# Altium PCB R100.230.030.001-00 ControlVR.PcbDoc (part 2 of 5) (continued)
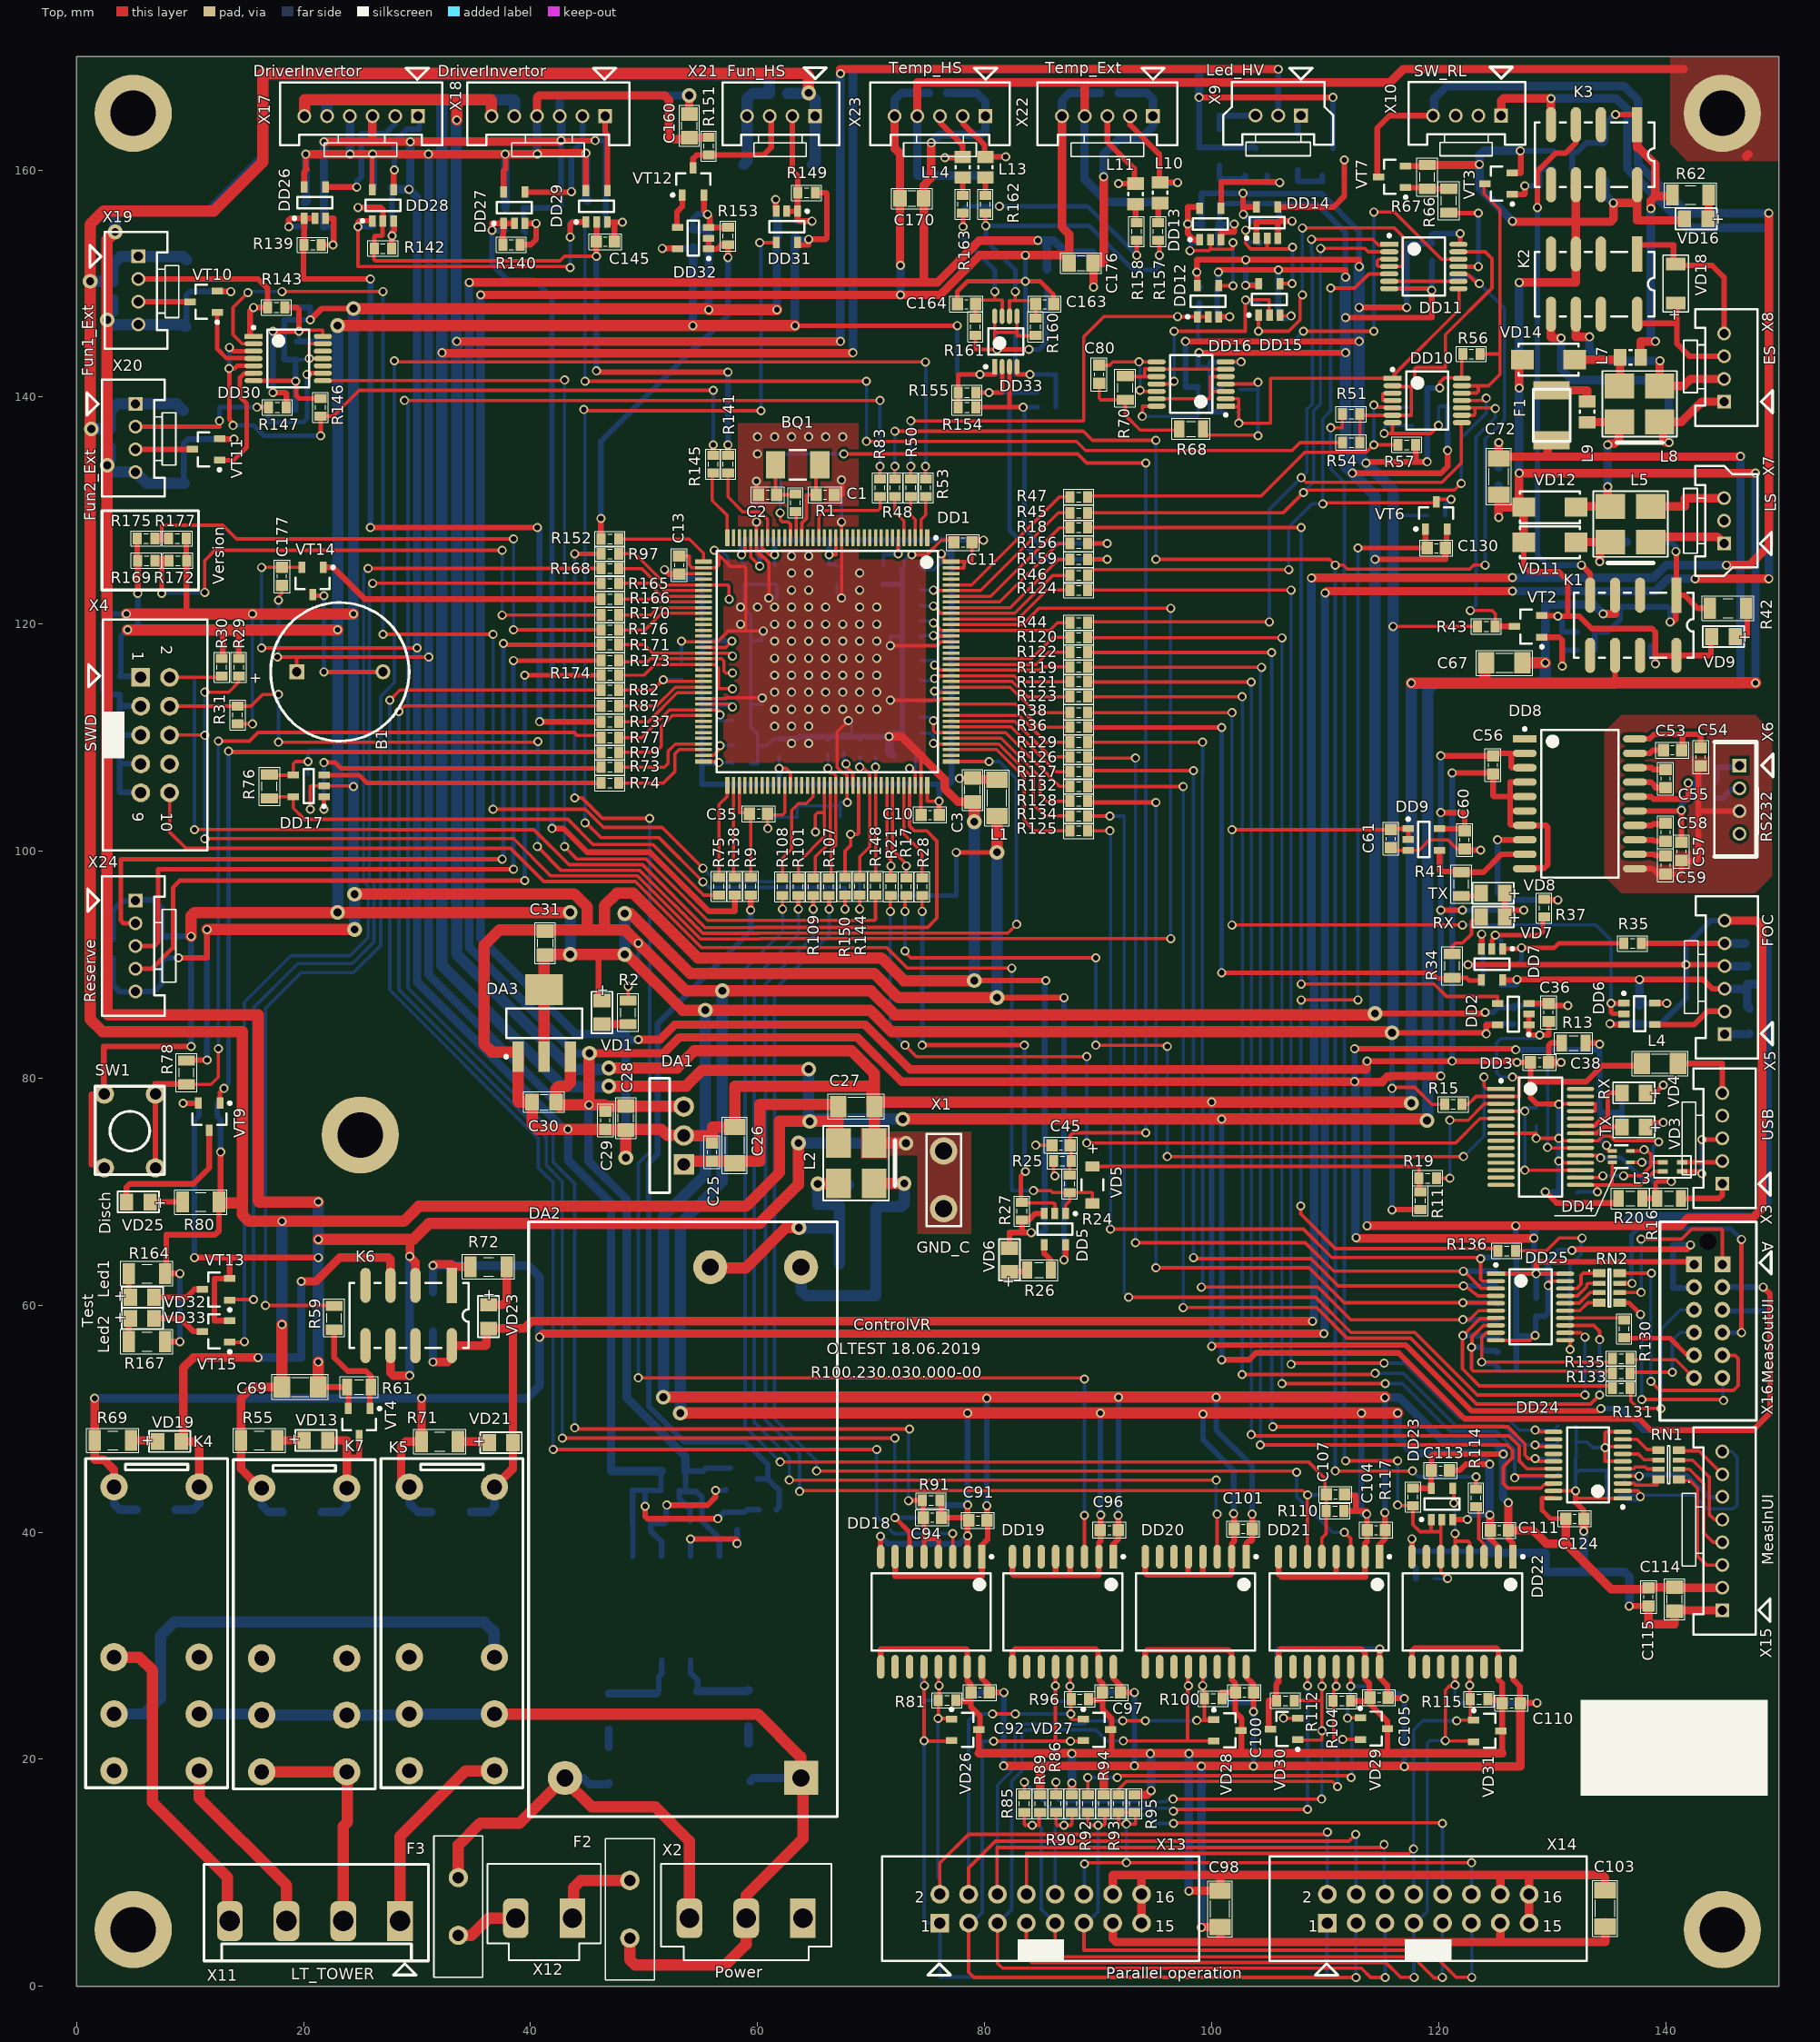
[diagram p0: Top view]
## Nets (pads, with @x,y where several pads share a name; then routed paths per layer and width w, separated by ;. In a path a pad name is that pad's centre, name@x,y a point inside that pad or via, vN(x,y) a via of type N, cw(c..) or ccw(c..) an arc to the next point about the centre after c; other vN are vias at no path point) (continued)
+5V: B1.1 C28.1 C29.2 C30.1 C33.2 C34.2 C47.1 C49.1 C50.2 C56.2 C60.1 C133.2 C137.2 C138.2 C143.2 C144.2 C160.1 C169.2 C170.2 C175.2 C176.2 C177.2 DA1.3 DA3.3 DA4.8 DD4.1 DD6.5 DD7.5 DD8.2 DD8.3 DD9.5 DD25.1 DD25.20 DD26.5 DD27.5 DD28.5 DD29.5 L12.1 R8.2 R13.2 R22.1 R23.1 R32.2 R33.2 R151.1 VD7.1 VD8.1 VT1.2 X5.3 X16.1B X17.4 X18.4 X22.1 X23.1 | length 760.5
  Top w0.3: v1(17.7,117.1) 19.4,117.1 ; v1(17.8,122.1) 17.8,122.4 18.1,122.7 C177.2@18.1,123.4 ; B1.1@19.4,115.8 19.4,117.1 ; v1(31.029,117.1) 31.025,117.096 29.667,117.096 29.663,117.1 19.4,117.1 ; v1(134.79,74.09) 134.79,73.99 134.7,73.9 135,73.6 DD4.1@135.31,73.6
  Top w0.4: DD28.5@26.05,158.275 26.05,161.35 v1(26.1,161.4) ; DD25.1@125.05,62.775 v1(128.6,62.775) ; v1@128.65,62.725 v1(128.6,62.775) ; DD25.20@131.15,62.775 v1(128.6,62.775)
  Top w0.5: DD26.5@20.05,158.5 20.05,159.825 20.3,160.075 20.2,160.175 v1(20.2,161.4) ; DD27.5@37.625,158.05 37.625,159.925 37.8,160.1 37.8,161.375 v1(37.775,161.4) ; DD29.5@44.875,158.175 v1(44.875,161.475) ; v1(112.6,82.6) 126.7,82.6 v1(126.8,82.5) ; v1(112.735,65.965) v1@112.8,65.9 ; DD9.5@120.075,101.975 122.125,101.975 C60.1@122.3,101.8 122.3,103.3 122.2,103.4 v1(120.2,103.4) ; v1(120.2,94.8) v1(122.1,94.8) ; v1(120.2,108.4) C56.2@124.8,108.4 125.02,108.62 DD8.2@126.62,108.62 ; DD7.5@125.65,88.65 126.85,88.65 126.9,88.6 v1(126.9,88.7) v1(137.7,88.7) 143.3,88.7 144.125,87.875 X5.3@145.2,87.875 ; VD7.1@125.841,93.9 VD7.1@125.841,94.2 VD7.1@125.841,94.825 ; VD8.1@125.841,95.75 VD7.1@125.841,94.825 ; v1(127.5,94.8) 125.866,94.8 VD7.1@125.841,94.825 ; DD8.3@127.95,107.35 DD8.3@127.596,107.35 126.45,107.35 126.4,107.4 126.4,108.4 DD8.2@126.62,108.62 ; DD8.2@127.95,108.62 DD8.2@127.596,108.62 DD8.2@126.62,108.62 ; v1(128.6,62.775) 128.6,63.7 128.725,63.825 142.15,63.825 X16.1B@142.35,63.625 ; R13.2@132.95,83.1 134.1,83.1 v1(134.2,83) ; DD6.5@139.075,86.625 139.1,86.6 v1(140.1,86.6)
  Top w0.75: v1(20.2,161.4) v1(24.1,161.4) v1(26.1,161.4) v1@30.75,161.4 ; v1(31,161.4) v1(37.775,161.4) v1(40.6,161.4) 40.675,161.475 v1(44.875,161.475) ; v1(34.6,150.1) 74.65,150.1 ; X18.4@40.6,164.725 X18.4@40.575,164.75 40.575,166.375 40.775,166.575 51.825,166.575 52.2,166.2 52.2,162.7 53.85,162.7 C160.1@54,162.85 55.675,162.85 R151.1@55.7,162.875 ; v2(45.2,82.2) 51.7,82.2 53.1,83.6 68.8,83.6 72.7,79.7 v1(112.6,79.7) 112.629,79.671 115.016,79.671 115.474,80.129 115.7,80.129 115.771,80.2 v1(120.2,80.2) ; v1(75.3,162.4) 75.3,159.3 74.65,158.65 C170.2@74.65,157.5 74.65,150.1 ; v1(84.7,153.8) 79.556,153.8 75.856,150.1 74.65,150.1 ; C176.2@89.55,151.8 90.5,151.8 v1(90.5,159.4) ; v1(89.6,149.7) C176.2@89.6,151.75 ; v1@112.8,65.9 v1(128.4,65.9)
  Top w1: DA3.3@43.5,81.9 43.5,79.6 43.2,79.3 42.5,79.3 42.25,79.05 C30.1@42.25,77.9 42.6,77.55 42.7,77.65 v4(45.15,77.65) ; v2(45.2,82.2) 45.15,82.15 v4(45.15,77.65) ; C29.2@46.6,77.1 C29.2@46.6,77.55 ; DA1.3@53.5,77.5 53.45,77.55 C28.1@48.4,77.55 C29.2@46.6,77.55 ; C176.2@89.55,151.8 C176.2@89.6,151.75 ; v4(45.15,77.65) 46.5,77.65 C29.2@46.6,77.55
  Bottom w0.3: v1(17.7,117.1) 17.8,117.2 v1(17.8,122.1)
  Bottom w0.5: R8.2@54.05,41 54.05,42.05 53.1,43 C33.2@53.1,43.7 53.2,43.6 C33.2@53.4,43.6 ; DA4.8@56.64,37.9 56.64,39.46 55.1,41 55.1,43.104 54.604,43.6 C33.2@53.4,43.6 ; VT1.2@57.6,45.65 55.45,45.65 55.2,45.4 C34.2@53.65,45.4 53.65,43.85 C33.2@53.4,43.6 ; v1(112.6,79.7) v1(112.6,82.6) ; v1(120.2,80.2) v1(120.2,108.4) ; v1(122.1,94.8) v1(127.5,94.8) ; C49.1@125.5,88.25 125.55,88.2 126.8,88.2 126.9,88.3 v1(126.9,88.7) ; v1(126.8,82.5) 134.2,82.5 ; v1(128.4,65.9) 128.4,62.975 v1(128.6,62.775) C133.2@128.6,60.65 ; v1(134.2,83) 134.2,82.5 ; v1(134.79,74.09) 134.296,74.584 134.296,77 ; R23.1@136.1,78.6 136.15,78.55 136.15,77 ; R22.1@136.15,75.6 136.15,77 ; C47.1@137.7,86.375 137.925,86.6 v1(140.1,86.6) ; X16.1B@142.25,63.725 X16.1B@142.35,63.625 ; 134.2,82.5 134.2,77.096 134.296,77 ; 134.296,77 136.15,77
  Bottom w0.75: C137.2@20.125,157.125 20.3,157.3 20.2,157.4 v1(20.2,161.4) ; X17.4@24.075,164.75 24.1,164.725 v1(24.1,161.4) ; v1(26.1,161.4) 26.125,161.375 C143.2@26.125,158.4 ; v1(31,161.4) 31.029,161.371 v1(31.029,117.1) 31.029,89.121 42.6,77.55 v4@45.15,77.55 ; v1(34.6,150.1) 34.571,150.071 34.571,148.574 34.6,148.545 34.6,91.525 43.925,82.2 v2(45.2,82.2) ; C138.2@37.775,156.675 v1(37.775,161.4) ; X18.4@40.575,164.75 40.575,161.425 v1(40.6,161.4) ; v1(44.875,161.475) 44.875,157.45 C144.2@45.025,157.3 ; v4(45.15,77.65) v4@45.15,77.55 ; C34.2@53.65,45.4 53.65,46.683 48.471,51.862 48.471,69.329 45.125,72.675 45.125,77.525 v4@45.15,77.55 ; v1(75.3,162.4) 76,163.1 79.7,163.1 80.075,163.475 X23.1@80.075,164.75 80.075,166.025 79.3,166.8 C169.2@76.7,166.8 ; v1@84.8,153.8 85.4,153.8 ; L12.1@85.5,151.21 85.5,153.7 85.4,153.8 ; v1(89.6,149.7) 89.6,152.6 89.5,152.7 87.2,152.7 86.1,153.8 85.4,153.8 ; v1(90.5,159.4) 90.5,161.4 91.9,162.8 93.8,162.8 94.825,163.825 X22.1@94.825,164.75 94.825,166.275 94.3,166.8 C175.2@91.8,166.8 ; v1(112.6,79.7) 112.671,79.629 112.671,66.029 v1(112.735,65.965) ; v1(128.4,65.9) 128.4,66.6 128.8,67 136.1,67 136.9,67.8 147.7,67.8 149,69.1 149,88.3 ; C47.1@137.7,86.375 v1(137.7,88.7) ; X5.3@145.2,87.875 147.175,87.875 C50.2@147.2,87.9 ; R33.2@147.4,86.15 147.2,86.35 C50.2@147.2,87.9 ; R32.2@148.575,91.9 R32.2@148.9,91.575 ; R32.2@148.7,91.9 149,91.9 149,88.3 ; C50.2@147.2,87.9 C50.2@147.2,88.3 149,88.3
+12V: C25.2 C26.2 C27.2 C67.2 C69.2 C72.2 C73.2 C90.2 C147.1 C148.1 C151.1 C152.1 C156.1 C157.1 DA1.1 F1.1 K1.3 K7.1 L2.3 R55.1 R80.2 R164.2 R167.2 VD15.2 VT5.3 VT8.3 X16.2A X17.5 X18.5 X19.1 X20.1 X21.1 | length 876.6
  Top w0.5: R167.2@7.8,56.8 v1(9.1,56.8) ; v1(9.1,62.8) R164.2@7.8,62.8 7.9,62.9 7.9,66.2 12.2,66.2 12.55,66.55 R80.2@12.55,69.1 12.7,69.25 v1(12.7,73.5) ; v1(98.9,166.4) v1(110.7,166.4) ; v1(100.9,55.2) 103.3,55.2 103.904,55.804 116.496,55.804 122.3,50 132.024,50 132.028,49.996 137.704,49.996 138.7,49 147.7,49 149.2,50.5 149.2,61 148.7,61.5 148.7,61.6 v1(148.6,61.6)
  Top w0.75: K7.1@16.314,43.9 16.2,43.9 14.5,45.6 R55.1@14.5,48.1 14.5,51.8 15.5,52.8 C69.2@18.1,52.8 ; v1(32.2,143.9) 32.229,143.871 67.329,143.871 68.329,143.871 68.358,143.9 v1(68.4,143.9) ; C72.2@125.3,134.6 125.3,134.758 146.583,134.758 v1(146.6,134.775) ; C72.2@125.3,134.8 v1(125.3,136) ; 129.6,134.8 F1.1@129.6,136 ; v1(134.5,120.9) 135.55,120.9 K1.3@135.55,122.55
  Top w1: R80.2@12.65,69 14.6,69 ; 14.6,84.1 14.6,69 ; 14.6,84.1 2.3,84.1 1.2,85.2 v2(1.2,150.2) 1.2,155.2 2.4,156.4 12.1,156.4 16.4,160.7 16.4,168.5 64.3,168.5 64.5,168.3 v2(64.5,166.8) ; v1(18.1,58.3) C69.2@18.1,52.8 C69.2@18.2,52.9 ; v2(46.9,79.3) 53.7,79.3 55.1,80.7 64.4,80.7 v2(64.5,80.8) ; DA1.1@53.5,72.42 53.78,72.7 C25.2@56,72.7 60.2,72.7 60.2,77.7 67.1,77.7 C27.2@67.1,77.5 L2.3@67.1,74.6 ; L2.3@67.125,74.278 67.1,74.303 L2.3@67.1,74.6 ; v2(72.8,76.396) v1(100.9,76.396) 118.864,76.396 v2(118.981,76.279) ; C67.2@127.4,116.6 v1(129.4,116.6) ; 14.6,69 14.6,68 15.2,67.4 v1(18.1,67.4) 28.825,67.4 30.15,68.725 58.975,68.725 61.925,71.675 61.925,76.2 v2(64.6,76.2) 66.7,76.2 66.7,75 L2.3@67.1,74.6
  Bottom w0.5: v1(9.1,56.8) v1(9.1,62.8) ; C90.2@12.4,77.7 12.4,76.65 12.7,76.35 v1(12.7,73.5) ; v1(98.9,166.4) 98.9,162 103.6,162 103.7,162.1 VT5.3@103.9,161.9 ; v1(100.9,55.2) 100.904,55.204 100.904,64.818 100.896,64.826 100.896,76.392 v1(100.9,76.396) ; VT8.3@110.7,161.9 v1(110.7,166.4) ; X16.2A@145,61.6 v1(148.6,61.6)
  Bottom w0.75: K7.1@16.314,43.9 16.314,42.386 16.9,41.8 VD15.2@18.175,41.8 ; v1(68.4,143.9) 68.4,168.9 98.9,168.9 v1(98.9,166.4) ; C73.2@125.3,133.8 v1(125.3,136) ; v1@129.4,116.7 129.4,121.729 133.671,121.729 v1(134.5,120.9) ; 146.6,114.8 v1@146.6,134.7
  Bottom w1: v2(1.2,150.2) C148.1@3.2,150.2 3.2,151.7 3.9,152.4 X19.1@5.45,152.4 9.4,152.4 C147.1@9.7,152.1 ; v2(1.3,137.2) C152.1@2.95,137.2 2.95,138.75 3.6,139.4 X20.1@5.2,139.4 8.8,139.4 C151.1@9.4,138.8 ; v1(18.1,58.3) v1(18.1,67.4) ; X17.5@22.075,164.75 22.075,166.075 22.2,166.2 32.2,166.2 ; X18.5@38.575,164.75 38.575,166.125 38.5,166.2 32.2,166.2 ; v2(46.9,79.3) 46.875,79.275 42.85,79.275 32.2,89.925 v1(32.2,143.9) 32.2,159.214 32.204,159.218 32.204,166.196 32.2,166.2 ; C157.1@62.625,166.75 64.45,166.75 v2(64.5,166.8) 65.075,166.225 X21.1@65.075,164.75 65.075,160.725 C156.1@64.85,160.5 ; v2(64.5,80.8) 64.5,76.3 v2(64.6,76.2) ; v2@64.7,76.4 67.2,76.4 67.204,76.396 v2(72.8,76.396) ; v2(118.981,76.279) 119.025,76.323 119.025,114.125 119.7,114.8 129.4,114.8 ; v1(129.4,116.6) 129.4,114.8 ; 146.6,114.8 129.4,114.8
\R\E\/DE: DD1.20 R83.1 | length 8.6
  Top w0.28: DD1.20@65.4,127.6 65.4,129.5 65.9,130 70.6,130 70.8,130.2 R83.1@70.8,131.225
ADC1_ALARM: C132.2 DD1.114 R132.2 | length 16.1
  Top w0.28: v1(75.5,111.5) 75.4,111.4 75.5,111.4 75.5,110.6 75.65,110.45 DD1.114@76.75,110.45 ; DD1.114@77.05,110.45 81.85,110.45 86.6,105.7 R132.2@87.525,105.7
  Bottom w0.28: C132.2@74.35,111.8 75.2,111.8 v1(75.5,111.5)
ADC1_ALARM_1: R131.1 X16.3B | length 14.7
  Top w0.28: R131.1@136.875,52.7 136.925,52.65 136.925,51.552 137.571,50.906 139.594,50.906 v1(139.6,50.9)
  Bottom w0.28: v1(139.6,50.9) 139.6,57.888 141.312,59.6 X16.3B@142.5,59.6
ADC1_CS: DD1.116 R126.1 | length 11.8
  Top w0.28: DD1.116@77.05,111.45 82.65,111.45 85.8,108.3 R126.1@87.525,108.3
ADC1_CS_1: RN2.7 X16.4A | length 25.8
  Top w0.4: RN2.7@135.95,61.925 v1(137.05,61.925) ; v1(146.7,57.6) v1(146.7,65.8)
  Bottom w0.4: v1@136.996,61.979 v1@137,61.975 ; v1(137.05,61.925) v1@137,61.975 ; X16.4A@145,57.6 X16.4A@145.075,57.6 ; X16.4A@145.05,57.625 X16.4A@145.075,57.6 ; X16.4A@145.15,57.525 X16.4A@145.075,57.6 ; v1(146.7,57.6) X16.4A@145.075,57.6 ; v1(146.7,65.8) 145.75,66.75 137.571,66.75 137,66.179 v1@137,61.975
ADC1_MISO: C131.2 DD1.112 R134.2 | length 18.1
  Top w0.28: v1(75.5,109.5) 75.4,109.5 75.45,109.45 DD1.112@76.75,109.45 ; DD1.112@77.05,109.45 81.25,109.45 84.3,106.4 84.3,104.1 85.3,103.1 R134.2@87.525,103.1
  Bottom w0.28: C131.2@74.35,110.4 75.2,110.4 75.5,110.1 75.5,109.7 75.3,109.5 v1(75.5,109.5)
ADC1_MISO_1: R133.1 X16.4B | length 8.8
  Top w0.3: R133.1@136.875,54 137.075,54.2 137.171,54.104 v1(140.596,54.104)
  Bottom w0.3: v1(140.596,54.104) 140.596,56.898 141.298,57.6 X16.4B@142.5,57.6
ADC1_MOSI: DD1.113 R128.1 | length 13.7
  Top w0.28: DD1.113@77.05,109.95 81.45,109.95 84.9,106.5 84.9,105 85.5,104.4 R128.1@87.525,104.4
ADC1_MOSI_1: RN2.5 X16.6A | length 19.1
  Top w0.3: v1(137.9,51.7) 137.904,51.704 144.996,51.704 v1(145.1,51.6)
  Top w0.4: RN2.5@135.95,60.23 136.77,60.23 v1(137.8,59.2)
  Bottom w0.3: v1(137.8,59.2) 137.896,59.104 137.896,51.704 v1(137.9,51.7) ; X16.6A@145.05,53.625 145.05,51.65 v1(145.1,51.6)
ADC1_RST: DD1.115 R127.1 | length 12.1
  Top w0.28: DD1.115@77.05,110.95 82.35,110.95 86.3,107 R127.1@87.525,107
ADC1_RST_1: RN2.6 X16.1A | length 17.1
  Top w0.3: RN2.6@135.95,61.125 135.954,61.121 137.683,61.121 v1@137.687,61.125 ; v1(137.854,65.825) 141.425,65.825 142.3,66.7 144.925,66.7 145,66.625 X16.1A@145,63.6
  Bottom w0.3: v1(137.85,61.125) 137.854,61.129 v1(137.854,65.825) ; X16.1A@144.95,63.825 X16.1A@145.05,63.725
ADC1_SCLK: DD1.111 R125.1 | length 15.7
  Top w0.28: DD1.111@77.05,108.95 81.05,108.95 83.5,106.5 83.5,102.7 84.4,101.8 R125.1@87.525,101.8
ADC1_SCLK_1: RN2.8 X16.5A | length 24.5
  Top w0.3: RN2.8@135.95,62.82 135.955,62.825 v1(138.75,62.825) ; v1(138.7,53.3) 139.5,52.5 145.975,52.5 146.4,52.925 146.4,55.3 146.125,55.575 145.025,55.575 X16.5A@145,55.6
  Bottom w0.3: v1(138.7,53.3) 138.7,62.775 v1(138.75,62.825)
ADC2_CS: DD1.127 R120.2 | length 11.3
  Top w0.28: DD1.127@77.05,116.95 84.15,116.95 86.025,118.825 R120.2@87.525,118.825
ADC2_CS_1: RN1.1 X15.3 | length 10.4
  Top w0.3: RN1.1@141.175,44.655 141.28,44.55 142.15,44.55 142.825,43.875 142.825,37.9 143.608,37.117 X15.3@145,37.117
ADC2_DRDY: C122.1 DD1.125 R119.2 | length 13.9
  Top w0.28: v1(75.6,116.4) 76.05,115.95 84.85,115.95 85.125,116.225 R119.2@87.525,116.225
  Bottom w0.28: C122.1@74.35,116.8 75.6,116.8 v1(75.6,116.4)
ADC2_DRDY_1: C117.1 DD24.2 X15.8 | length 20.5
  Top w0.3: DD24.2@136.225,43.65 136.229,43.646 137.579,43.646 137.775,43.45 v1(137.775,43.15)
  Bottom w0.3: 135.9,43.275 142.475,43.275 143.673,42.077 145.397,42.077 145.399,42.075 145.975,42.075 146.3,42.4 146.3,46.625 145.812,47.113 X15.8@145,47.113 ; C117.1@136.375,43.15 136.675,42.85 137.775,42.85 v1(137.775,43.15)
ADC2_MISO: C123.1 DD1.124 R121.2 | length 13.8
  Top w0.28: v1(75.6,115.2) 75.6,115.4 75.65,115.45 82.608,115.45 83.158,114.9 87.5,114.9 R121.2@87.525,114.925
  Bottom w0.28: C123.1@74.35,115.1 74.45,115 75.5,115 75.6,115.1 v1(75.6,115.2)
ADC2_MISO_1: C116.1 DD24.4 X15.6 | length 13.5
  Top w0.3: DD24.4@136.225,44.95 v1(137.675,44.95)
  Bottom w0.3: C116.1@136.375,44.55 136.575,44.35 137.675,44.35 137.675,44.925 v1(137.675,44.95)
  Bottom w0.4: 135.8,45.05 141.85,45.05 143.8,43.1 X15.6@145.05,43.1 ; v1@137.625,44.925 v1@137.675,44.925
ADC2_MOSI: DD1.123 R123.2 | length 11
  Top w0.28: DD1.123@77.05,114.95 82.429,114.95 83.469,113.91 83.484,113.91 83.794,113.6 87.5,113.6 R123.2@87.525,113.625
ADC2_MOSI_1: RN1.3 X15.5 | length 7.9
  Top w0.3: RN1.3@141.175,46.35 142.375,46.35 143.85,44.875 143.85,41.575 144.308,41.117 X15.5@145,41.117
ADC2_SCLK: DD1.126 R122.2 | length 10.9
  Top w0.28: DD1.126@77.05,116.45 84.55,116.45 85.625,117.525 R122.2@87.525,117.525
ADC2_SCLK_1: RN1.2 X15.4 | length 9
  Top w0.3: RN1.2@141.175,45.55 142.1,45.55 143.35,44.3 143.35,39.95 144.175,39.125 144.992,39.125 X15.4@145,39.117
ADC2_SYN: DD1.134 R124.2 | length 11.5
  Top w0.28: DD1.134@77.05,120.45 82.95,120.45 85.5,123 R124.2@87.525,123
ADC2_SYN_1: RN1.4 X15.7 | length 4.7
  Top w0.3: RN1.4@141.175,47.245 141.245,47.175 142.931,47.175 X15.7@145,45.106
ALARM_OUT: C112.2 DD22.6 DD23.1 DD23.2 R51.2 R117.2 | length 115.4
  Top w0.3: v3(110.5,137.3) 111.525,137.3 R51.2@111.525,138.5 ; v1(111.8,46.3) 114.9,46.3 v1(116.4,46.3) ; v1(116.4,42.4) 116.45,42.35 R117.2@117.75,42.35 ; R117.2@117.725,42 117.75,41.975 117.75,40.675 118.375,40.05 120.195,40.05 DD22.6@120.195,37.85 120.195,36.53 v1(120.8,35.925) ; 119.35,40.1 DD23.1@119.35,41.125 ; 120.2,40.05 120.2,41.025 DD23.2@120.3,41.125
  Bottom w0.3: v3(110.5,137.3) 110.5,133.7 111.704,132.496 111.704,46.396 v1(111.8,46.3) ; v1(116.4,42.4) v1(116.4,46.3) ; C112.2@119.6,35.9 120.5,35.9 120.525,35.925 v1(120.8,35.925)
BOOT: DD1.138 R18.2 | length 13
  Top w0.28: DD1.138@77.05,122.45 80.55,122.45 86.6,128.5 R18.2@87.525,128.5
BTN_DISCHARGE: C89.2 DD1.63 R77.2 | length 11.9
  Top w0.28: R77.2@47.775,110 49.8,110 52.25,112.45 56.55,112.45 56.7,112.3 v1(56.7,112)
  Bottom w0.28: v1(56.7,112) 56.7,111.5 C89.2@57.8,111.5
BUZ: DD1.44 R166.1 | length 7.6
  Top w0.28: R166.1@47.775,122.2 51,122.2 51.25,121.95 DD1.44@55.25,121.95
BUZZ_ONOFF: DD1.2 R53.2 | length 3.8
  Top w0.28: DD1.2@74.4,127.6 74.4,129.2 74.8,129.6 74.8,131.2 R53.2@74.825,131.225
BUZZER: K7.4 K7.5 X11.2 | length 20.8
  Top w1: K7.4@16.314,18.9 K7.5@23.814,18.9 23.875,18.839 23.875,14.475 23.5,14.1 X11.2@23.5,5.75
D+: L3.1 X3.3 | length 6.7
  Top w0.4: L3.1@141.45,71.8 143,71.8 v1(143.2,71.6) ; v1(143.2,74.6) 144.9,74.6 X3.3@145,74.7
  Bottom w0.4: v1(143.2,71.6) v1(143.2,74.6)
D-: L3.4 X3.2 | length 3.6
  Top w0.4: L3.4@141.45,72.6 X3.2@145.1,72.6
DTR: C36.1 DD2.1 DD2.2 DD3.2 R15.1 | length 20.8
  Top w0.3: R15.1@122.075,77.7 122.6,77.7 123.3,78.4 DD3.2@125.5,78.4 127.1,78.4 127.1,80 127,80.1 126.6,80.1 126.5,80.2 v1(126.5,80.1)
  Top w0.5: DD2.2@127.95,85.65 DD2.1@127.95,84.7 127.95,83.8 v1(128.9,83.8) 129.7,83.8 C36.1@129.7,85
  Bottom w0.3: v1(126.5,80.1) 125.5,80.1 125.1,80.5 125.1,83.1 125.5,83.5 128.6,83.5 v1(128.9,83.8)
ES_ALARM: C62.2 DD1.139 R45.2 | length 16.1
  Top w0.28: v1(75.5,123) 75.55,122.95 79.65,122.95 86.5,129.8 R45.2@87.525,129.8
  Bottom w0.28: C62.2@74.35,123.1 74.45,123 v1(75.5,123)
EXT_FUN_PWM: DD1.36 R145.2 | length 6.3
  Top w0.28: R145.2@56.1,133.325 56,133.225 56,130.9 57.34,129.56 DD1.36@57.34,127.6
EXT_FUN_SP1: C150.2 DD1.98 R144.2 | length 11.5
  Top w0.28: R144.2@69,97.675 69,99.5 69.88,100.38 69.88,105.78 DD1.98@69.9,105.8 69.9,106.777 69.277,107.4 v1(69,107.4)
  Bottom w0.28: v1(69,107.4) C150.2@69,108.3
EXT_FUN_SP2: C154.2 DD1.99 R148.2 | length 10.6
  Top w0.28: R148.2@70.4,97.675 DD1.99@70.4,105.8 v3(70.4,107.4)
  Bottom w0.28: v3(70.4,107.4) C154.2@70.4,108.3
EXT_OFF: DD1.5 R48.2 | length 4
  Top w0.28: R48.2@72.125,131.225 72.1,131.2 72.1,129.9 72.9,129.1 DD1.5@72.9,127.6
EXT_OFF+: DD22.12 R116.1 R118.1 VD31.2 X13.7 X14.7 | length 75.7
  Top w0.3: X13.7@83.68,5.575 83.68,2.57 84.15,2.1 115.35,2.1 116.65,0.8 v1(117.85,0.8) ; v1(121.45,26.55) v1@121.45,26.45 ; DD22.12@121.465,28.15 121.465,26.465 v1@121.45,26.45 ; VD31.2@123.1,21.55 123.025,21.625 120.6,21.625 120.6,26.1 120.95,26.45 v1@121.45,26.45
  Bottom w0.3: v1(117.85,0.8) 117.82,0.83 X14.7@117.82,5.575 117.975,5.575 119,6.6 119,21.4 119.25,21.65 v1(120.6,21.65) 120.6,21.625 v1@120.575,21.6 ; R118.1@121.325,28.6 121.325,26.6 121.375,26.55 v1(121.45,26.55) 121.45,25.6 122.1,24.95 R116.1@123.1,24.95
EXT_OFF-: DD22.13 R115.1 R118.2 VD31.1 X13.8 X14.8 | length 65.2
  Top w0.3: X13.8@83.7,8.115 83.7,11.704 114.859,11.704 114.867,11.696 117.396,11.696 v1(117.8,12.1) ; v1(121.6,23.4) 121.65,23.45 VD31.1@123.1,23.45 ; DD22.13@122.735,28.15 122.735,26.54 v1(122.75,26.525) 122.75,25.35 R115.1@122.8,25.3 122.8,23.525 122.875,23.525 123.025,23.525 VD31.1@123.1,23.45 ; VD31.1@123.075,23.425 VD31.1@123.1,23.45
  Bottom w0.3: X14.8@117.82,8.115 117.9,8.195 117.8,8.295 v1(117.8,12.1) 117.8,22.6 118.6,23.4 v1(121.6,23.4) ; v1(122.75,26.525) 122.75,27.675 122.875,27.8 R118.2@122.875,28.6
EXT_OFF_1: C109.1 DD11.10 R48.1 R114.1 | length 192.6
  Top w0.3: v1(72.1,133.9) 72.1,132.8 R48.1@72.125,132.775 ; v1(72.1,137) 88.7,137 89.5,136.2 v1(95.1,136.2) ; v1(95.1,125.7) 110.4,125.7 v1(110.9,125.2) 111.6,125.2 111.954,124.846 122.754,124.846 123.108,125.2 v1(124.1,125.2) ; v1(110.9,45.4) v1(117.7,45.4) ; DD11.10@121.8,150.85 121.85,150.8 121.95,150.9 122.075,150.775 122.613,150.775 123.388,150 v1(123.6,150) ; R114.1@123.3,43.8 v1(123.3,44.9)
  Bottom w0.3: v1(72.1,133.9) v1(72.1,137) ; v1(95.1,125.7) v1(95.1,136.2) ; v1(110.9,45.4) v1(110.9,125.2) ; v1(117.7,45.4) 118.2,44.9 v1(123.3,44.9) ; C109.1@121,150.6 123,150.6 v1(123.6,150) 125.804,147.796 125.804,138.004 124.1,136.3 v1(124.1,125.2)
FREE_BIT_IN: C106.2 DD1.92 R107.1 | length 11.6
  Top w0.28: v1(66.2,107.3) 66.1,107.2 66.41,106.89 66.681,106.89 66.9,106.671 DD1.92@66.9,105.8 66.9,100.5 66.5,100.1 R107.1@66.5,97.675 ; R107.1@66.275,97.65 R107.1@66.3,97.675
  Bottom w0.28: v1(66.2,107.3) C106.2@66.2,108.5
FREE_BIT_IN+: DD21.14 R92.1 R105.1 R106.1 VD29.1 | length 40.7
  Top w0.3: R92.1@89.1,16.875 v1(89.1,18.4) ; v1(91.7,18.4) 91.854,18.554 112.146,18.554 v1(112.3,18.4) v1@112.4,18.4 ; v1(111.975,23.625) 112.225,23.625 112.25,23.65 112.45,23.65 VD29.1@113.1,23.65 ; v1(112.25,26.45) 112.25,26.35 112.255,26.355 DD21.14@112.255,28.15
  Bottom w0.3: v1(89.1,18.4) v1(91.7,18.4) ; v1(112.3,18.4) 112.354,18.454 112.354,23.246 v1(111.975,23.625) 111.975,24.9 112.225,25.15 112.225,26.425 v1(112.25,26.45) ; R106.1@112.475,28.6 112.475,27.675 112.25,27.45 v1(112.25,26.45) ; R105.1@113.825,25.8 113.825,26.3 113.675,26.45 v1(112.25,26.45)
FREE_BIT_IN-: DD21.13 R93.2 R104.1 R106.2 VD29.2 | length 35.6
  Top w0.3: R93.2@91.8,16.875 91.8,17.363 92.491,18.054 110.646,18.054 v1(111.1,17.6) ; DD21.13@110.985,28.15 110.985,26.56 110.975,26.55 v1(110.975,26.45) 110.75,26.225 110.75,21.75 VD29.2@113.1,21.75
  Bottom w0.3: R106.2@110.925,28.6 110.925,26.5 v1(110.975,26.45) ; v1(111.1,17.6) 111.1,21.3 v1(111.55,21.75)
FREE_BIT_OUT: DD1.91 R109.1 | length 8.7
  Top w0.28: R109.1@65.1,97.65 65.1,99.5 66.4,100.8 DD1.91@66.4,105.8
FREE_BIT_OUT+: DD21.11 R85.1 R111.1 R113.2 VD30.2 | length 46.9
  Top w0.3: R85.1@83.5,16.875 v1(83.5,18) ; v1(96.63,15.426) 96.804,15.6 v1(108.45,15.6) ; v1(106.325,23.625) VD30.2@107.6,23.625 ; DD21.11@108.445,28.15 108.445,26.33 108.45,26.325 v1(108.45,26.475)
  Bottom w0.3: v1(83.5,18) 85.804,15.696 96.359,15.696 v1(96.63,15.426) ; v1(106.325,23.625) 106.325,23.65 106.35,23.625 108.45,23.625 ; R113.2@107.275,25.225 107.3,25.2 108.45,25.2 ; R111.1@108.225,28.6 108.225,27.75 108.45,27.525 v1(108.45,26.475) 108.45,25.2 ; v1(108.45,15.6) 108.45,23.625 ; 108.45,23.625 108.45,25.2
FREE_BIT_OUT-: DD21.12 R86.2 R111.2 R112.2 VD30.1 | length 45.7
  Top w0.3: R86.2@86.3,16.875 v1(86.3,18) ; v1(96.605,16.501) 109.599,16.501 109.65,16.45 v1(109.7,16.5) ; R112.2@107.275,25.175 109.675,25.175 109.725,25.225 ; VD30.1@107.6,21.725 107.625,21.7 109.725,21.7 v1(109.725,22.525) 109.725,25.225 ; DD21.12@109.715,28.15 v1@109.715,26.36 ; v1(109.725,26.45) v1@109.725,26.37 ; v1@109.715,26.36 v1@109.725,26.37 ; v1@109.715,26.36 109.715,26.335 v1@109.725,26.325 ; v1@109.715,26.36 v1@109.725,26.35 ; 109.725,25.225 v1@109.725,26.325 ; v1@109.725,26.325 v1@109.725,26.35 ; v1@109.725,26.35 v1@109.725,26.37
  Bottom w0.3: v1(86.3,18) 86.3,16.6 86.65,16.25 95.958,16.25 96.208,16.5 v1@96.308,16.5 ; v1@96.309,16.501 v1(96.605,16.501) ; v1(109.7,16.5) 109.725,16.525 v1(109.725,22.525) ; v1(109.725,26.45) 109.7,26.475 109.7,27.4 109.775,27.475 R111.2@109.775,28.6
FREE_BIT_OUT_D: DD1.88 R108.1 | length 9.7
  Top w0.28: R108.1@62.2,97.65 62.2,99.4 63,100.2 63,103.6 63.6,104.2 64.3,104.2 64.9,104.8 DD1.88@64.9,105.8
GISO: C54.1 C57.1 C59.1 DD8.11 X6.3 | length 18.3
  Top w0.5: DD8.11@137.65,98.46 138.84,98.46 139.3,98 C59.1@140,98 ; C59.1@140,97.975 141.175,97.975 141.4,98.2 C57.1@141.4,99.2 ; C57.1@141.5,99.1 142.6,99.1 142.9,99.4 142.9,103.6 ; C54.1@143.104,107.5 142.9,107.296 142.9,106.378 142.904,106.374 142.904,103.604 142.9,103.6 ; X6.3@146.4,103.525 142.975,103.525 142.9,103.6
GND_485: C92.1 C97.1 C98.1 C100.1 C103.1 C105.1 C110.1 DD18.9 DD18.15 DD19.9 DD19.15 DD20.9 DD20.15 DD21.9 DD21.15 DD22.9 DD22.15 R81.1 R90.2 R95.2 R96.2 R100.2 R104.2 R112.1 R115.2 VD26.3 VD27.3 VD28.3 VD29.3 VD30.3 VD31.3 X13.14 X13.15 X13.16 X14.14 X14.15 X14.16 | length 233.2
  Top w0.5: DD18.9@70.855,28.15 70.855,29.7 78.4,29.7 78.475,29.625 DD18.15@78.475,28.15 78.475,26.925 78.8,26.6 C92.1@78.8,25.9 78.8,25.1 ; R81.1@77.475,25.2 77.575,25.1 78.8,25.1 ; 79.5,20.55 VD26.3@79.5,22.6 79.6,22.7 79.6,23.8 78.8,24.6 78.8,25.1 ; DD19.9@82.455,28.15 82.455,29.455 82.7,29.7 89.8,29.7 90,29.5 90,28.1 DD19.15@90.075,28.025 ; R96.2@89.175,25.5 89.475,25.2 90.4,25.2 ; DD19.15@90.075,28.15 DD19.15@90.075,28.025 ; DD19.15@90.1,28 DD19.15@90.075,28.025 ; C97.1@90.5,25.9 C97.1@90.4,25.9 ; VD27.3@91.1,22.7 91.2,22.8 91.2,23.6 90.4,24.4 90.4,25.2 ; 91.2,20.55 VD27.3@91.2,22.7 ; DD20.9@94.155,28.15 94.155,29.455 94.35,29.65 101.45,29.65 101.775,29.325 DD20.15@101.775,28.15 101.775,27.025 102.1,26.7 C100.1@102.1,25.9 ; R100.2@100.925,25.35 100.925,25.85 100.875,25.9 C100.1@102.1,25.9 ; 102.625,20.55 102.625,22.4 VD28.3@102.7,22.475 ; VD28.3@102.65,22.8 102.65,23.6 102.1,24.15 C100.1@102.1,25.9 ; VD30.3@105.2,22.675 105.025,22.85 105.025,25.175 R112.1@105.725,25.175 105.725,25.6 105.7,25.625 105.7,26.6 105.905,26.805 DD21.9@105.905,28.15 105.905,29.505 106.1,29.7 113.2,29.7 113.525,29.375 DD21.15@113.525,28.15 113.525,27.075 113.9,26.7 C105.1@113.9,25.9 ; 112.7,25.15 113.1,25.15 113.125,25.125 113.625,25.125 C105.1@113.95,25.45 ; C105.1@113.925,25.475 C105.1@113.95,25.45 ; 115.5,20.55 VD29.3@115.5,22.7 115.5,23.325 113.95,24.875 C105.1@113.95,25.45 ; DD22.9@117.655,28.15 117.655,29.555 117.9,29.8 125.1,29.8 125.275,29.625 DD22.15@125.275,28.15 125.275,27.025 125.6,26.7 C110.1@125.6,25.225 ; R115.2@124.3,25.225 C110.1@125.6,25.225 ; 125.6,20.55 125.6,22.4 VD31.3@125.5,22.5 125.6,22.6 C110.1@125.6,25.225 ; DD19.15@90.075,28.025 90.075,27.025 90.4,26.7 C97.1@90.4,25.9 ; 90.4,25.2 C97.1@90.4,25.9
  Top w0.75: 79.5,20.55 91.2,20.55 102.625,20.55 ; R90.2@87.7,16.875 v1(87.7,17.9) ; X13.14@91.3,8.115 91.3,9.8 93.84,9.8 X13.16@93.84,8.115 X13.15@93.84,5.575 ; R95.2@93.2,16.875 94.3,16.875 v1(94.675,17.25) ; 93.875,9.775 93.9,9.8 100.775,9.8 ; v1(98,8.4) 98.025,8.425 C98.1@100.75,8.425 100.775,8.45 100.775,9.8 ; 102.7,20.55 115.5,20.55 125.6,20.55 ; X14.14@125.44,8.115 125.44,9.79 125.45,9.8 ; X14.15@127.98,5.575 X14.16@127.98,8.115 127.98,9.78 128,9.8 ; C103.1@134.675,8.475 134.675,9.575 134.45,9.8 128,9.8 ; 100.775,9.8 125.45,9.8 ; 125.45,9.8 128,9.8
  Bottom w0.75: v1@87.7,17.85 v1(87.7,17.9) v1(87.7,20.5) ; v1(94.6,20.5) 94.675,20.425 v1(94.675,17.25) ; v1(98,8.4) v1(98,20.5)